# Altium PCB Matrix.PcbDoc (part 1 of 4)
Units mm, origin at the board's own origin, x right, y up, seen from the top; angles counter-clockwise.
Board outline 198.9 x 200.83 mm, 2 copper layers (Top Layer, Bottom Layer), stack 1.55 mm thick; 406 components, 231 nets, 2159 pads, 789 vias.
Unrouted connection lines stored in the file: 16.
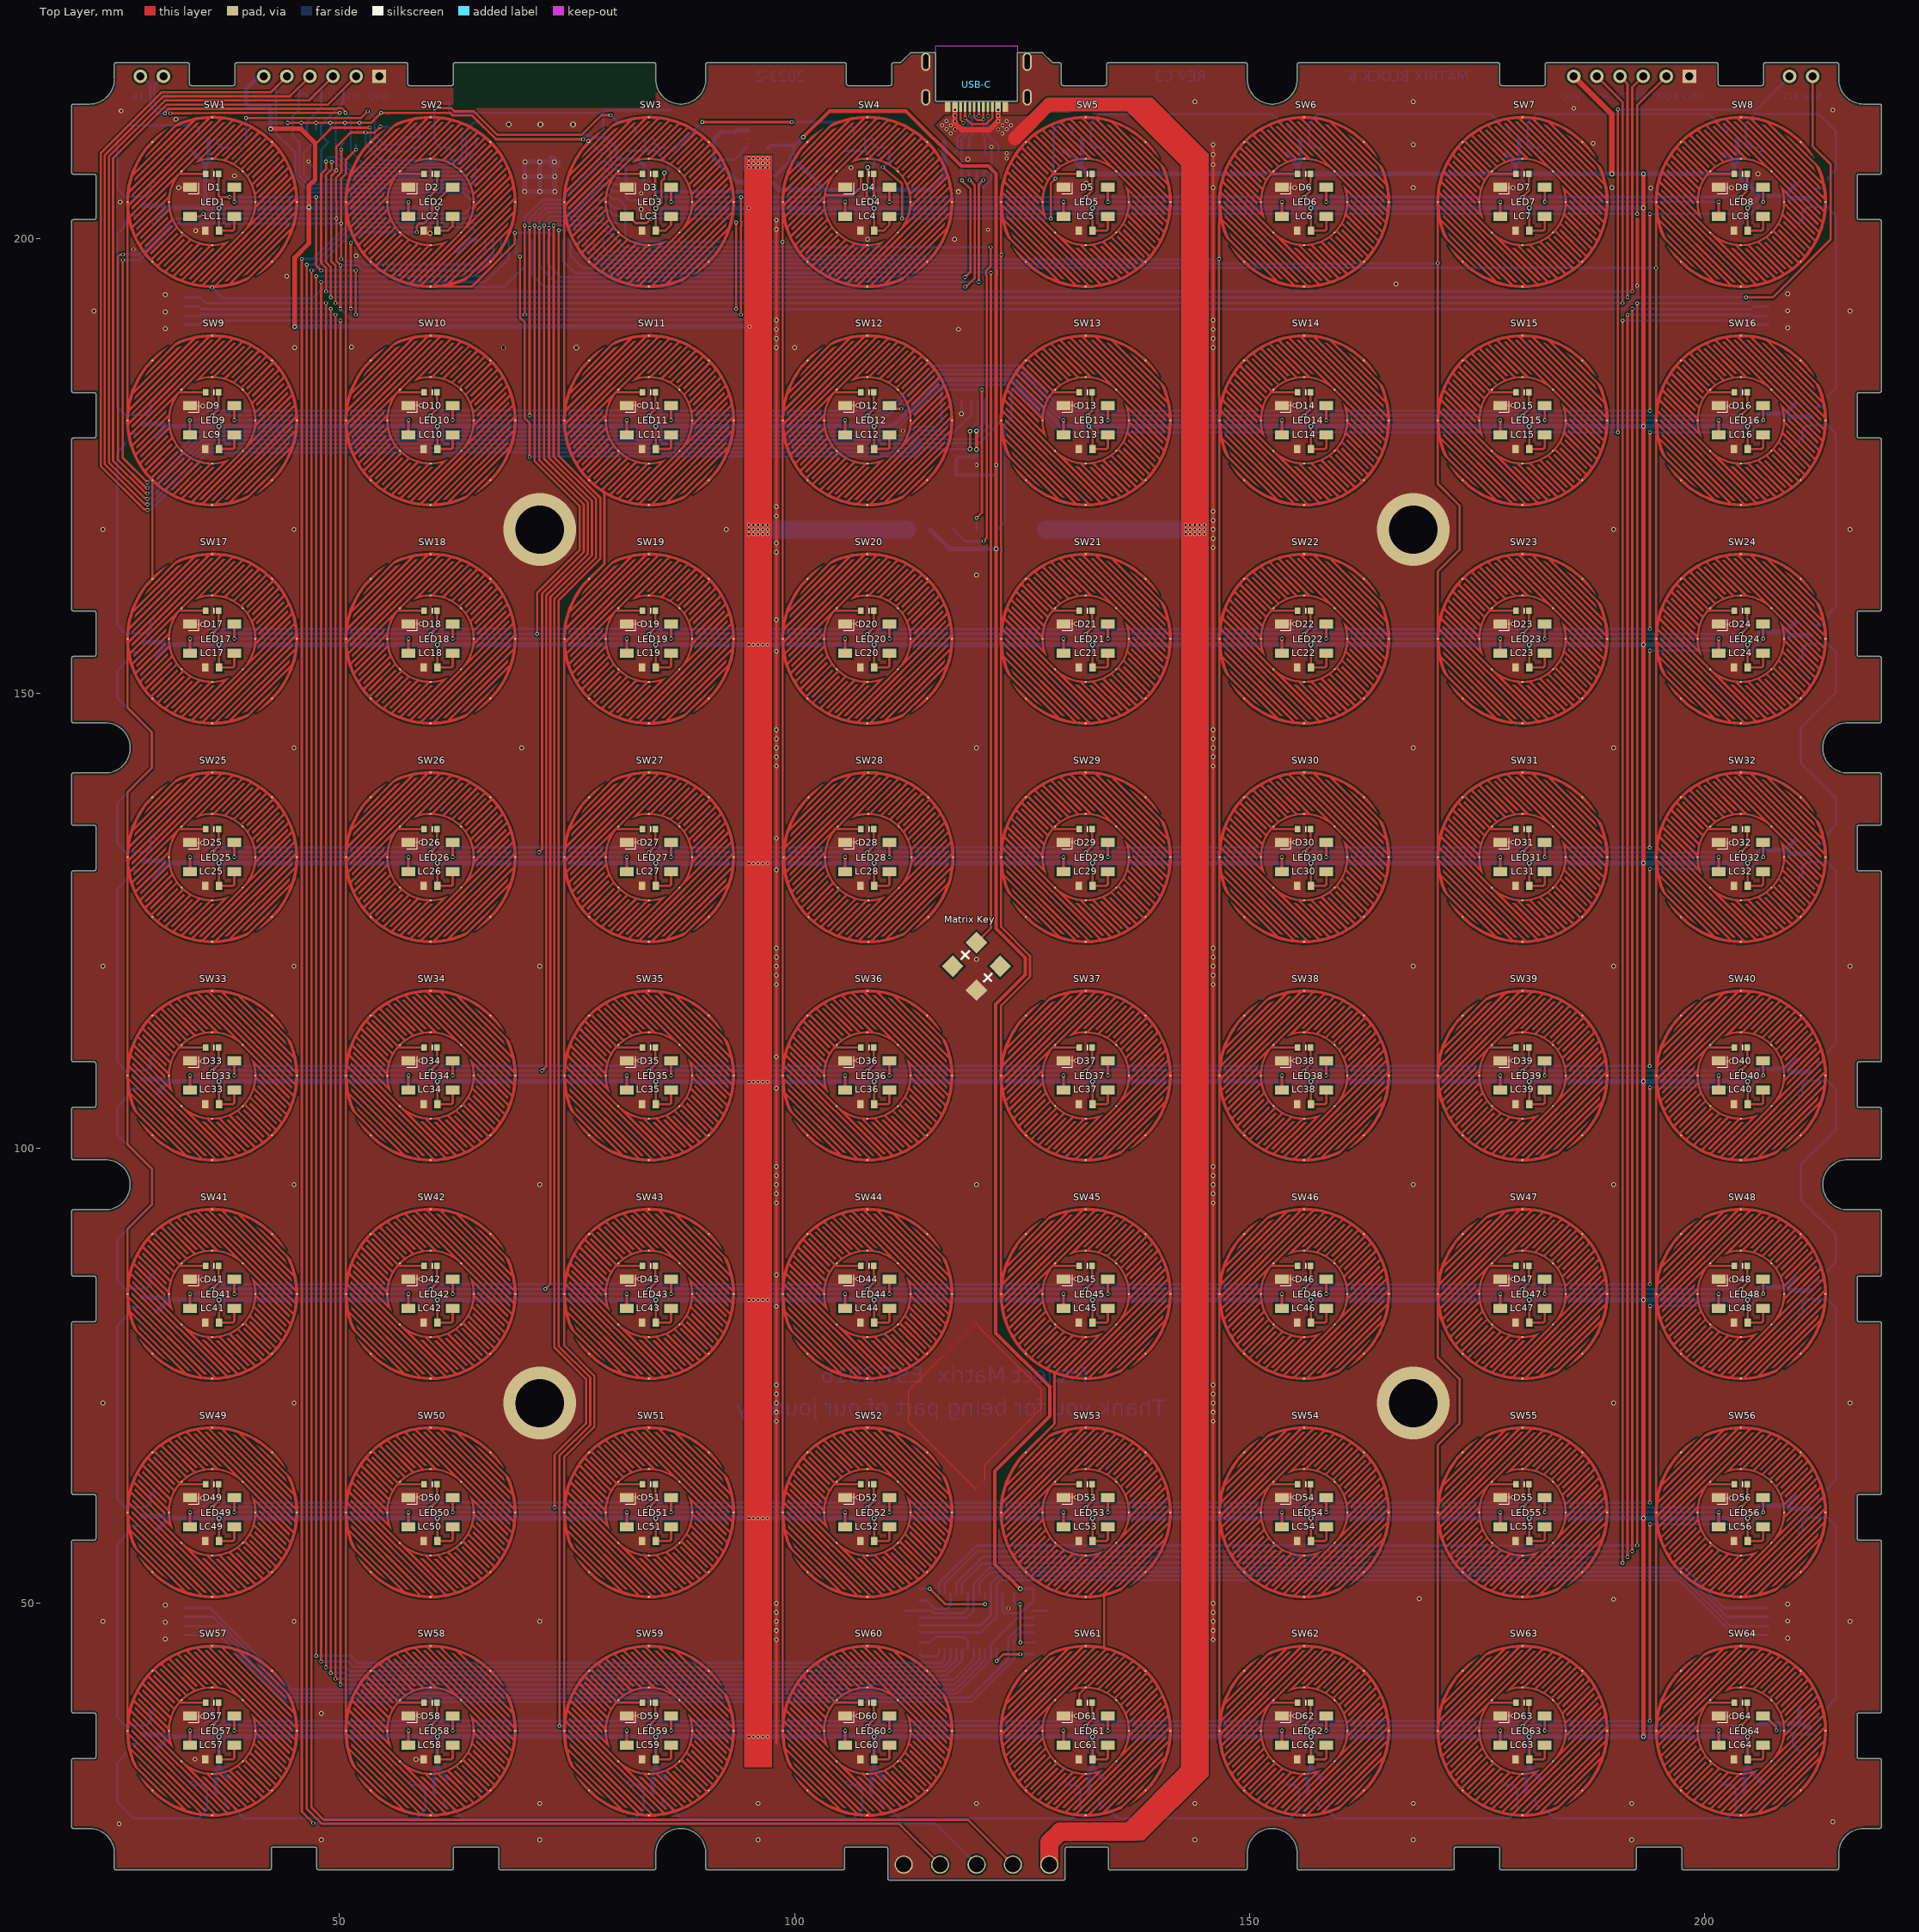
[diagram p0: Top Layer view]
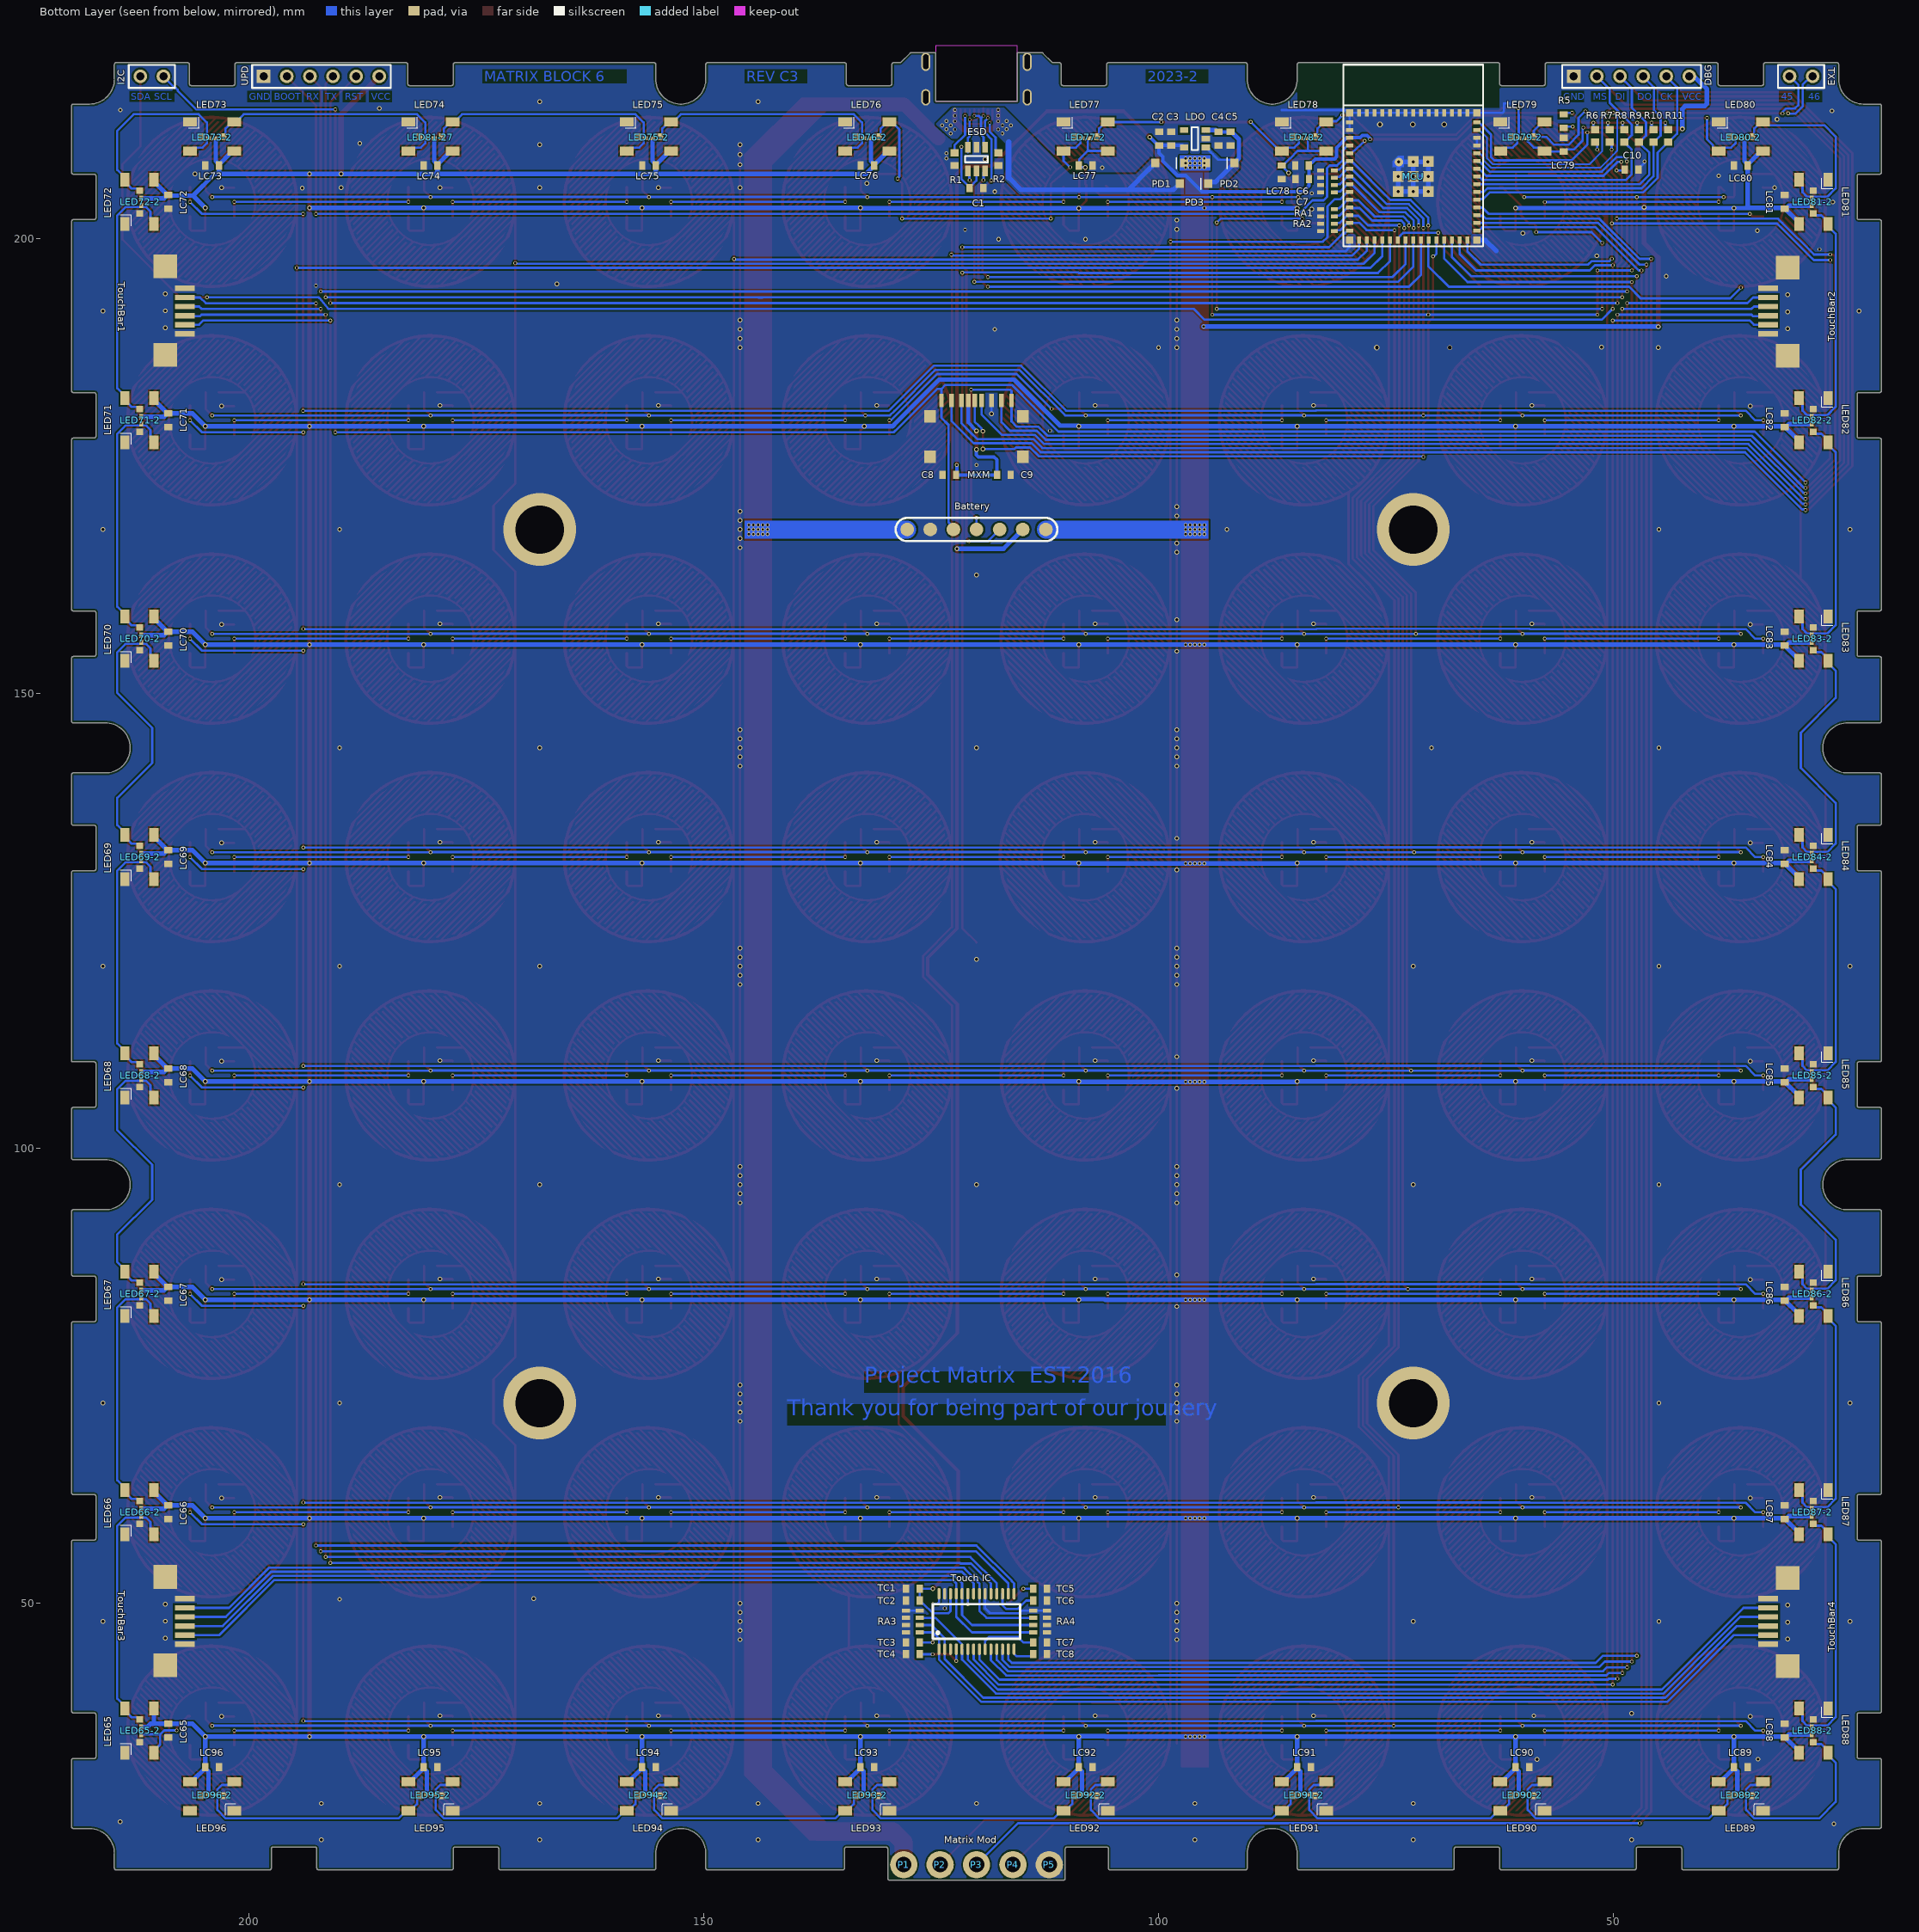
[diagram p1: Bottom Layer view, seen from below]
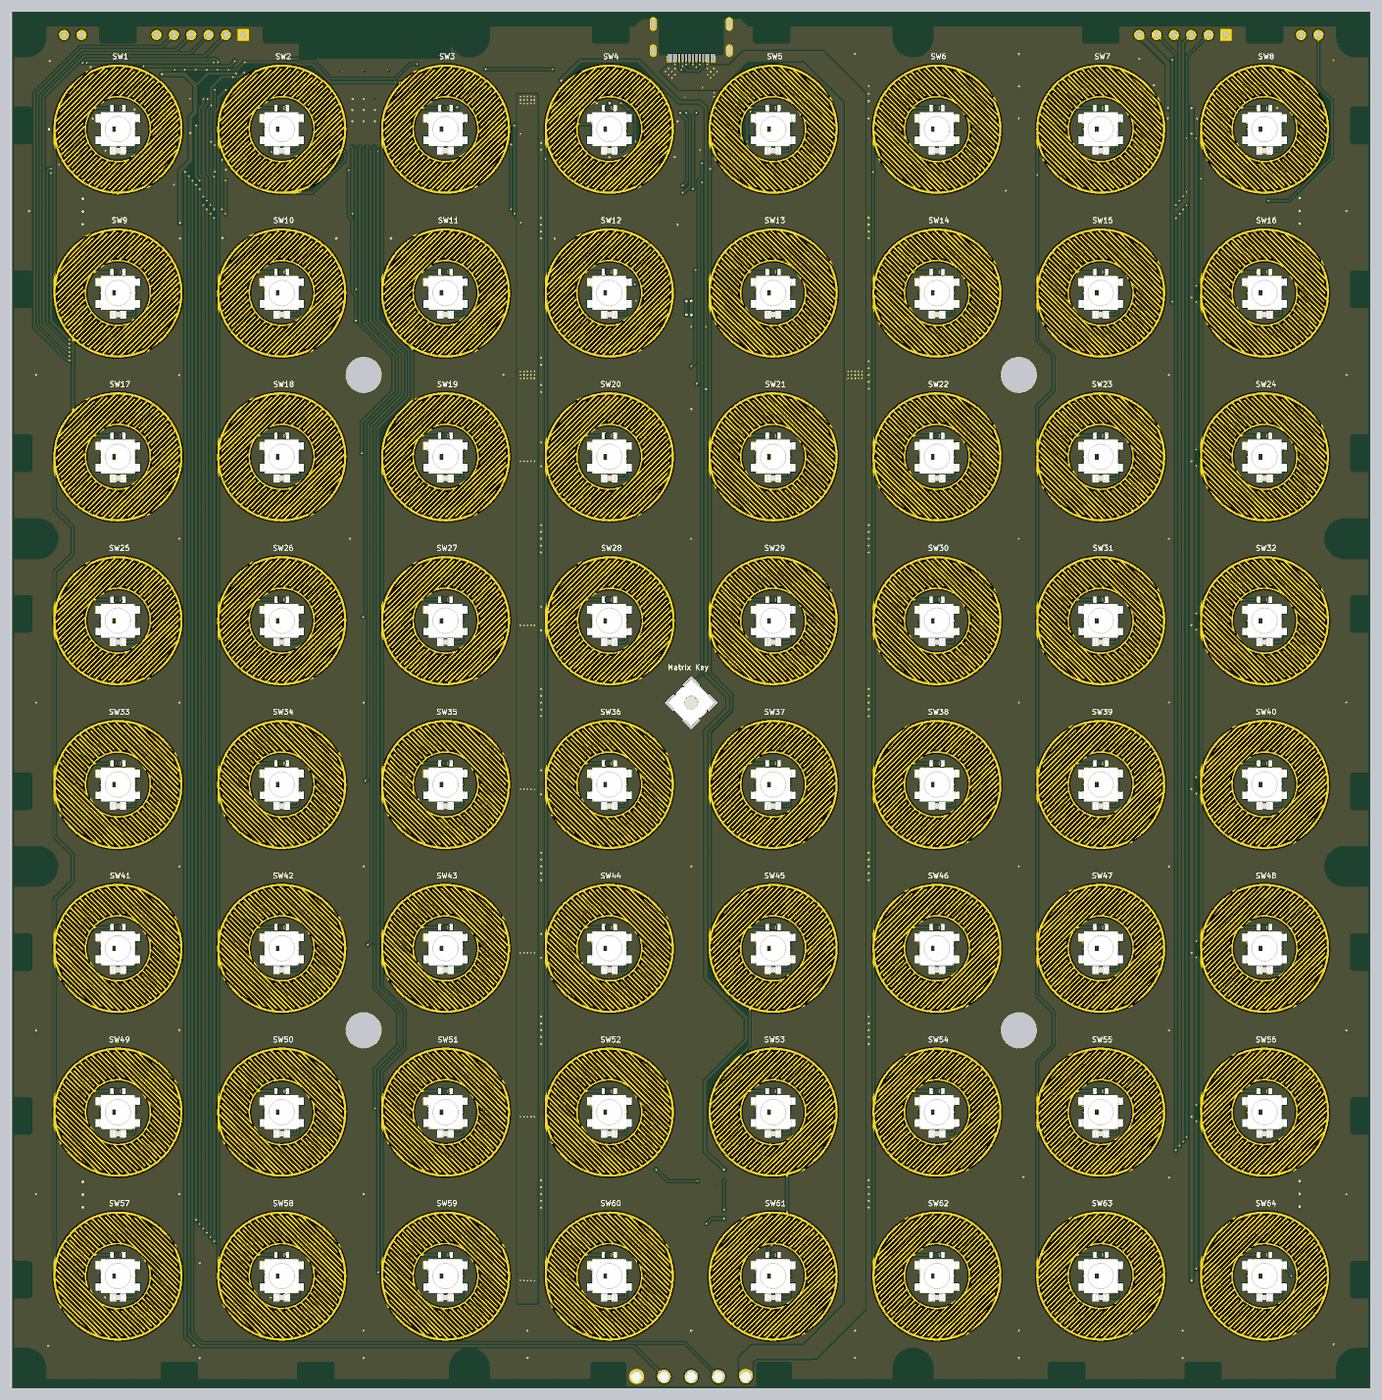
[diagram p5: 3D render of the assembled board from above, using the file's embedded part models]
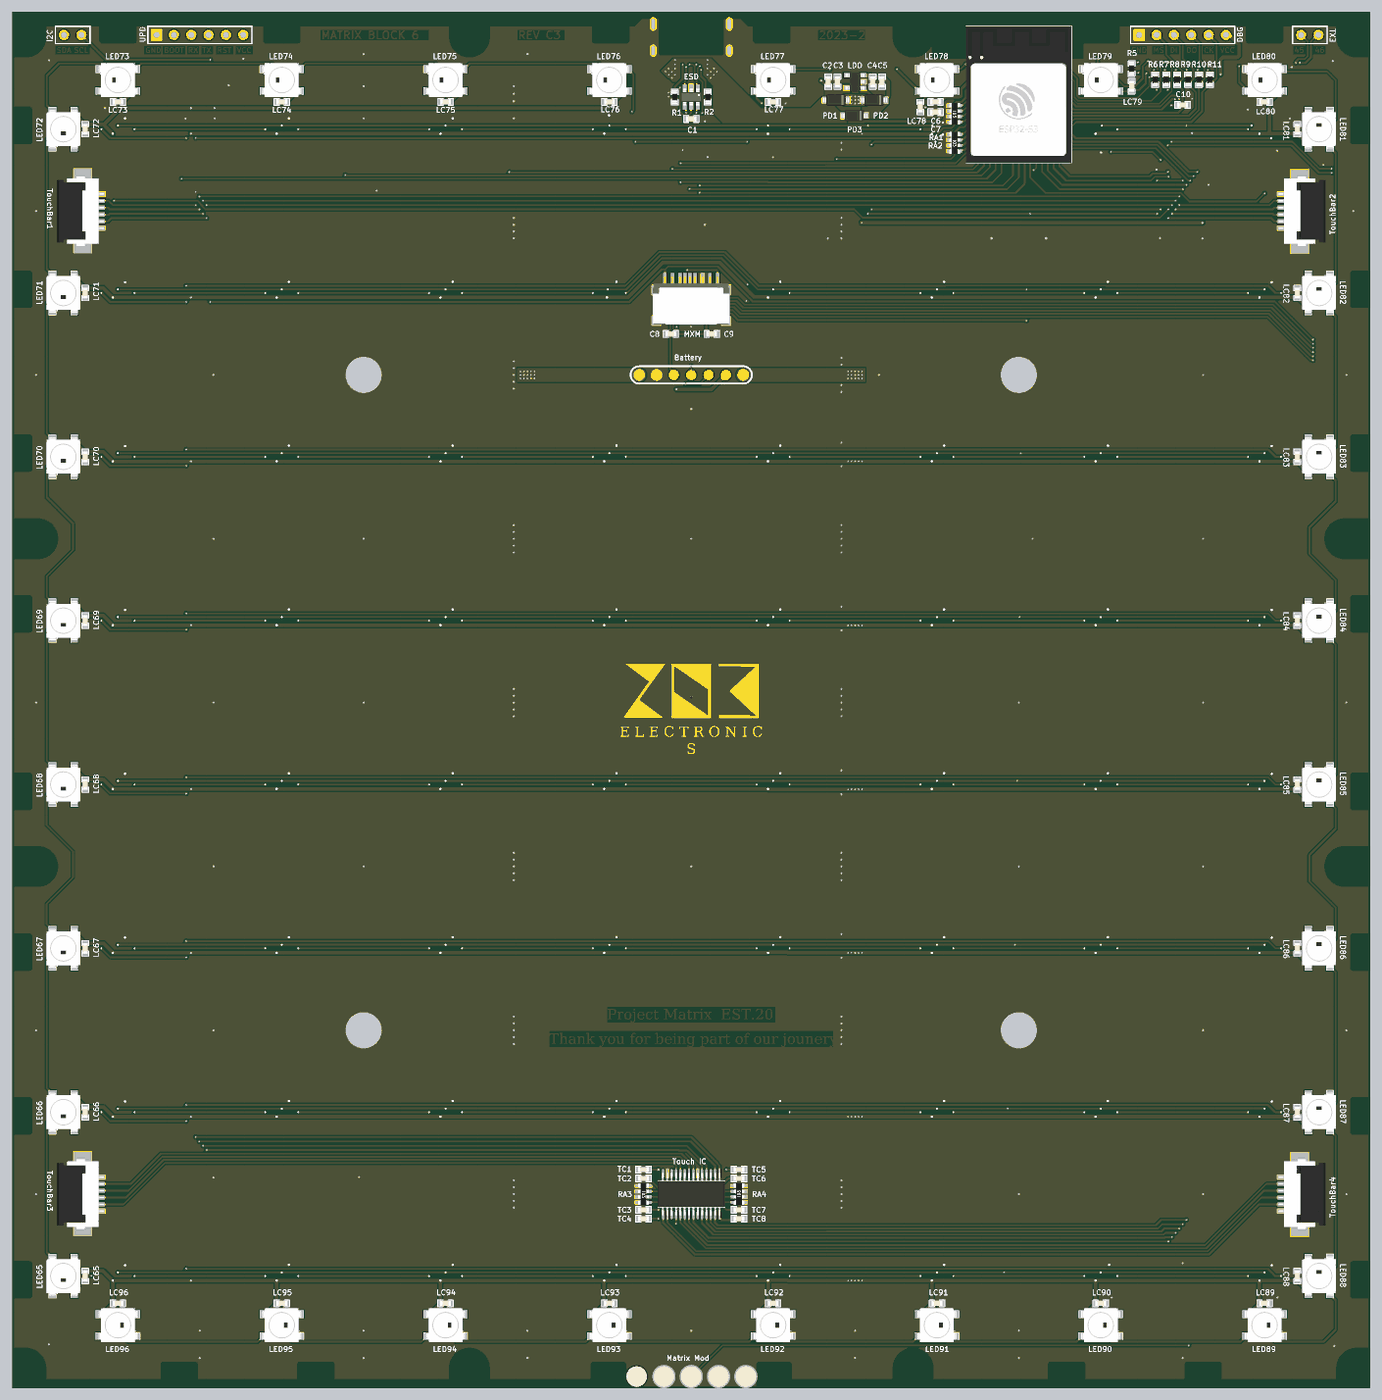
[diagram p6: 3D render of the assembled board from below, using the file's embedded part models]

## Layer stack, top to bottom
Top Solder: solder mask 0.04, Solder Resist, Dk 3.5
Top Layer: signal copper 0.01
Dielectric 1: dielectric 1.5, FR-4, Dk 4.8
Bottom Layer: signal copper 0.04
Bottom Solder: solder mask 0.01, Solder Resist, Dk 3.5

## Board outline
308 vertices, not listed, extent 20.55,19.57 219.45,220.4

## Design rules (kind name [scope] priority, off if disabled: settings)
BoardOutlineClearance [(OnLayer('Bottom Layer') OR OnLayer('Top Layer') OR OnLayer('Multi-Layer'))] p1: gap=0.254 ignorepadtopadclearanceinfootprint=FALSE except(0: Arc-SplitContinuation Track-SplitContinuation SMDPad-OutlineEdge SMDPad-CavityEdge SMDPad-CutoutEdge SMDPad-SplitBarrior SMDPad-SplitContinuation THPad-OutlineEdge THPad-CavityEdge THPad-CutoutEdge THPad-SplitBarrior THPad-SplitContinuation Via-SplitContinuation Fill-SplitContinuation Poly-SplitContinuation Region-SplitContinuation Text-OutlineEdge Text-CavityEdge Text-CutoutEdge Text-SplitBarrior Text-SplitContinuation)
Clearance "Clearance  Decoration" [IsKeepOut vs OnLayer('Top Layer')] p1: gap=0 ignorepadtopadclearanceinfootprint=FALSE
Clearance [All] p2: gap=0.2 ignorepadtopadclearanceinfootprint=FALSE except(0: Arc-Hole Track-Hole SMDPad-Hole THPad-Hole Via-Hole Fill-Text Fill-Hole Poly-Text Poly-Hole Region-Text Region-Hole Text-Text Text-Hole)
ComponentClearance [All] p1 off: gap=0.254 collisioncheckmode=3 verticalgap=0.254 showdistances=FALSE
HoleSize [All] p1 off: absolutevalues=TRUE maxlimit=2.54 minlimit=0.025 maxpercent=80.000 minpercent=20.000
PolygonConnect [All] p1: connectstyle=Direct reliefconductorwidth=0.254 reliefentries=4 polygonreliefangle="90 Angle" airgapwidth=0.254
RoutingVias [All] p1: holewidth=0.711 width=1.27 viastyle="Through Hole" minholewidth=0.711 minwidth=1.27 maxholewidth=0.711 maxwidth=1.27
ShortCircuit [InPadClass('All Pads') vs InNet('No Net')] p1: allowed=TRUE
SolderMaskExpansion [All] p1: expansion=0.102 istentingtop=FALSE
UnRoutedNet [All] p1: checkbadconnections=TRUE
Width [All] p1: maxlimit=2.54 minlimit=0.025 preferedwidth=0.254
26 further rules are at their usual default settings.

## Classes and differential pairs
component class underglow: LC137 LC139 LC140 LC141 LC142 LC143 LC144 LC145 LC147 LC149 LC150 LC152 LC153 LC154 LC155 LC156 LC157 LC158 LC159 LC160 LC161 LC162 LC163 LC164 LC165 LC166 LC167 LC168 LED137 LED138 LED139 LED140 LED141 LED142 LED143 LED144 LED146 LED147 LED151 LED153 LED154 LED155 LED156 LED157 LED158 LED159 LED160 LED161 LED162 LED163 LED164 LED165 LED166 LED167 LED168
component class Keypad: D1 D2 D3 D4 D5 D6 D7 D8 D9 D10 D11 D12 D13 D14 D15 D16 D17 D18 D19 D20 D21 D22 D23 D24 D25 D26 D27 D28 D29 D30 D31 D32 D33 D34 D35 D36 D37 D38 D39 D40 D41 D42 D43 D44 D45 D46 D47 D48 D49 D50 D51 D52 D53 D54 D55 D56 D57 D58 D59 D60 D61 D62 D63 D64 D73 D74 D75 D76 D77 D78 D79 D81 D82 D83 D84 D85 D86 D87 D88 D89 D90 D91 D92 D93 D94 D95 D96 D97 D98 D99 D100 D101 D102 D103 D104 D105 D106 D107 D108 D109 D110 D111 D112 D113 D114 D115 D116 D117 D118 D119 D120 D121 D122 D123 D124 D125 D126 D127 D128 D129 D130 D131 D132 D133 D134 D135 D136 RA1 RA2 RA75 SW1 SW2 SW3 SW4 SW5 SW6 SW7 SW9 SW10 SW11 SW12 SW13 SW14 SW15 SW16 SW17 SW18 SW19 SW20 SW21 SW22 SW23 SW24 SW25 SW26 SW27 SW28 SW29 SW30 SW31 SW32 SW33 SW34 SW35 SW36 SW37 SW38 SW39 SW40 SW41 SW42 SW43 SW44 SW45 SW46 SW47 SW48 SW49 SW50 SW51 SW52 SW53 SW54 SW55 SW56 SW57 SW58 SW59 SW60 SW61 SW62 SW63 SW64 SW73 SW74 SW75 SW76 SW77 SW78 SW79 SW80 SW81 SW82 SW83 SW84 SW85 SW86 SW87 SW88 SW89 SW90 SW91 SW92 SW93 SW94 SW95 SW96 SW97 SW98 SW99 SW100 SW101 SW102 SW103 SW104 SW105 SW106 SW107 SW108 SW109 SW110 SW111 SW112 SW113 SW114 SW115 SW116 SW117 SW118 SW119 SW120 SW121 SW122 SW123 SW124 SW125 SW126 SW127 SW128 SW129 SW130 SW131 SW132 SW133 SW134 SW135 SW136
component class led: c2 LC1 LC2 LC3 LC4 LC5 LC6 LC7 LC8 LC9 LC10 LC11 LC12 LC13 LC14 LC15 LC16 LC17 LC18 LC19 LC20 LC21 LC22 LC23 LC24 LC25 LC26 LC27 LC28 LC29 LC30 LC31 LC32 LC33 LC34 LC35 LC36 LC37 LC38 LC39 LC40 LC41 LC42 LC43 LC44 LC45 LC46 LC47 LC48 LC49 LC50 LC51 LC52 LC53 LC54 LC55 LC56 LC57 LC58 LC59 LC60 LC61 LC62 LC63 LC64 LC97 LC98 LC99 LC100 LC101 LC102 LC103 LC104 LC105 LC106 LC107 LC108 LC109 LC110 LC111 LC112 LC113 LC114 LC115 LC116 LC117 LC118 LC119 LC120 LC121 LC122 LC123 LC124 LC125 LC126 LC127 LC128 LC129 LC130 LC131 LC132 LC133 LC134 LC135 LC136 LC145 LC147 LC150 LC152 LC156 LC160 LC162 LC163 LC164 LC165 LC166 LC167 LC168 LED1 LED2 LED3 LED4 LED5 LED6 LED7 LED8 LED9 LED10 LED11 LED12 LED13 LED14 LED15 LED16 LED17 LED18 LED19 LED20 LED21 LED22 LED23 LED24 LED25 LED26 LED27 LED28 LED29 LED30 LED31 LED32 LED33 LED34 LED35 LED36 LED37 LED38 LED39 LED40 LED41 LED42 LED43 LED44 LED45 LED46 LED47 LED48 LED49 LED50 LED51 LED52 LED53 LED54 LED55 LED56 LED57 LED58 LED59 LED60 LED61 LED62 LED63 LED64 LED97 LED98 LED99 LED100 LED101 LED102 LED103 LED104 LED105 LED106 LED107 LED108 LED109 LED110 LED111 LED112 LED113 LED114 LED115 LED116 LED117 LED118 LED119 LED120 LED121 LED122 LED123 LED124 LED125 LED126 LED127 LED128 LED129 LED130 LED131 LED132 LED133 LED134 LED135 LED136 LED146 LED150 LED153 LED155 LED157 LED161 LED163 LED164 LED166 LED168
component class Main: C1 c2 C23 C25 C26 C27 C30 C31 C32 C33 C34 C35 C36 C37 C40 ESD ESD73 Flash1 "FN Switch" LDO1 Main "Matrix Key" "Matrix Key1" "Matrix Key73" MCU MCU1 PDS1 R1 R2 R73 R74 RA3 RA4 RA73 RA74 RET6 SWD1 TC1 TC2 TC3 TC4 TC5 TC6 TC7 TC8 TC73 TC74 TC75 TC76 TC77 TC78 TC79 TC80 "Touch IC" "Touch IC1" "Touch IC73" TouchBar1 TouchBar2 TouchBar3 TouchBar4 TouchBar73 TouchBar74 TouchBar75 TouchBar76 UART1 USB-C73

## Components (designator, comment, footprint, x,y, rotation, side; value= is the part's Value field where it differs from the comment)
C1 "MCU" "0603 CAP" 120,205.5 r0 bottom value=0.1uf
C2 "MCU" "0603 CAP" 99.936,210.95 r270 bottom value=1uf
C3 "MCU" "0603 CAP" 98.583,210.95 r270 bottom value=0.1uf
C4 "MCU" "0603 CAP" 93.417,210.95 r270 bottom value=0.1uf
C5 "MCU" "0603 CAP" 92.064,210.95 r270 bottom value=1uf
C6 "LDO" "0603 CAP" 84.22,208 r180 bottom value=0.1uf (schematic designator C7)
C7 "MCU" "0603 CAP" 84.21,206.5 r180 bottom value=22uf (schematic designator C6)
C8 "MCU" "0603 CAP" 123,174 r0 bottom value=10uf
C9 "MCU" "0603 CAP" 117,174 r180 bottom value=0.1uf
C10 "LDO" "0603 CAP" 48,207.55 r180 bottom value=1uf
D1 "1N4148" SOD523 36,207.08 r0 top
D2 "1N4148" SOD523 60,207.08 r0 top
D3 "1N4148" SOD523 84,207.08 r0 top
D4 "1N4148" SOD523 108,207.08 r0 top
D5 "1N4148" SOD523 132,207.08 r0 top
D6 "1N4148" SOD523 156,207.08 r0 top
D7 "1N4148" SOD523 180,207.08 r0 top
D8 "1N4148" SOD523 204,207.08 r0 top
D9 "1N4148" SOD523 36,183.08 r0 top
D10 "1N4148" SOD523 60,183.08 r0 top
D11 "1N4148" SOD523 84,183.08 r0 top
D12 "1N4148" SOD523 108,183.08 r0 top
D13 "1N4148" SOD523 132,183.08 r0 top
D14 "1N4148" SOD523 156,183.08 r0 top
D15 "1N4148" SOD523 180,183.08 r0 top
D16 "1N4148" SOD523 204,183.08 r0 top
D17 "1N4148" SOD523 36,159.08 r0 top
D18 "1N4148" SOD523 60,159.08 r0 top
D19 "1N4148" SOD523 84,159.08 r0 top
D20 "1N4148" SOD523 108,159.08 r0 top
D21 "1N4148" SOD523 132,159.08 r0 top
D22 "1N4148" SOD523 156,159.08 r0 top
D23 "1N4148" SOD523 180,159.08 r0 top
D24 "1N4148" SOD523 204,159.08 r0 top
D25 "1N4148" SOD523 36,135.08 r0 top
D26 "1N4148" SOD523 60,135.08 r0 top
D27 "1N4148" SOD523 84,135.08 r0 top
D28 "1N4148" SOD523 108,135.08 r0 top
D29 "1N4148" SOD523 132,135.08 r0 top
D30 "1N4148" SOD523 156,135.08 r0 top
D31 "1N4148" SOD523 180,135.08 r0 top
D32 "1N4148" SOD523 204,135.08 r0 top
D33 "1N4148" SOD523 36,111.08 r0 top
D34 "1N4148" SOD523 60,111.08 r0 top
D35 "1N4148" SOD523 84,111.08 r0 top
D36 "1N4148" SOD523 108,111.08 r0 top
D37 "1N4148" SOD523 132,111.08 r0 top
D38 "1N4148" SOD523 156,111.08 r0 top
D39 "1N4148" SOD523 180,111.08 r0 top
D40 "1N4148" SOD523 204,111.08 r0 top
D41 "1N4148" SOD523 36,87.08 r0 top
D42 "1N4148" SOD523 60,87.08 r0 top
D43 "1N4148" SOD523 84,87.08 r0 top
D44 "1N4148" SOD523 108,87.08 r0 top
D45 "1N4148" SOD523 132,87.08 r0 top
D46 "1N4148" SOD523 156,87.08 r0 top
D47 "1N4148" SOD523 180,87.08 r0 top
D48 "1N4148" SOD523 204,87.08 r0 top
D49 "1N4148" SOD523 36,63.08 r0 top
D50 "1N4148" SOD523 60,63.08 r0 top
D51 "1N4148" SOD523 84,63.08 r0 top
D52 "1N4148" SOD523 108,63.08 r0 top
D53 "1N4148" SOD523 132,63.08 r0 top
D54 "1N4148" SOD523 156,63.08 r0 top
D55 "1N4148" SOD523 180,63.08 r0 top
D56 "1N4148" SOD523 204,63.08 r0 top
D57 "1N4148" SOD523 36,39.08 r0 top
D58 "1N4148" SOD523 60,39.08 r0 top
D59 "1N4148" SOD523 84,39.08 r0 top
D60 "1N4148" SOD523 108,39.08 r0 top
D61 "1N4148" SOD523 132,39.08 r0 top
D62 "1N4148" SOD523 156,39.08 r0 top
D63 "1N4148" SOD523 180,39.08 r0 top
D64 "1N4148" SOD523 204,39.08 r0 top
DBG "JTAG" HDR1X6 54.36,217.8 r180 bottom (schematic designator JTAG)
ESD "USBLC6-2" SOT23-6L 120,208.7 r270 bottom